# KiCad board prototype_01.kicad_pcb (continued)
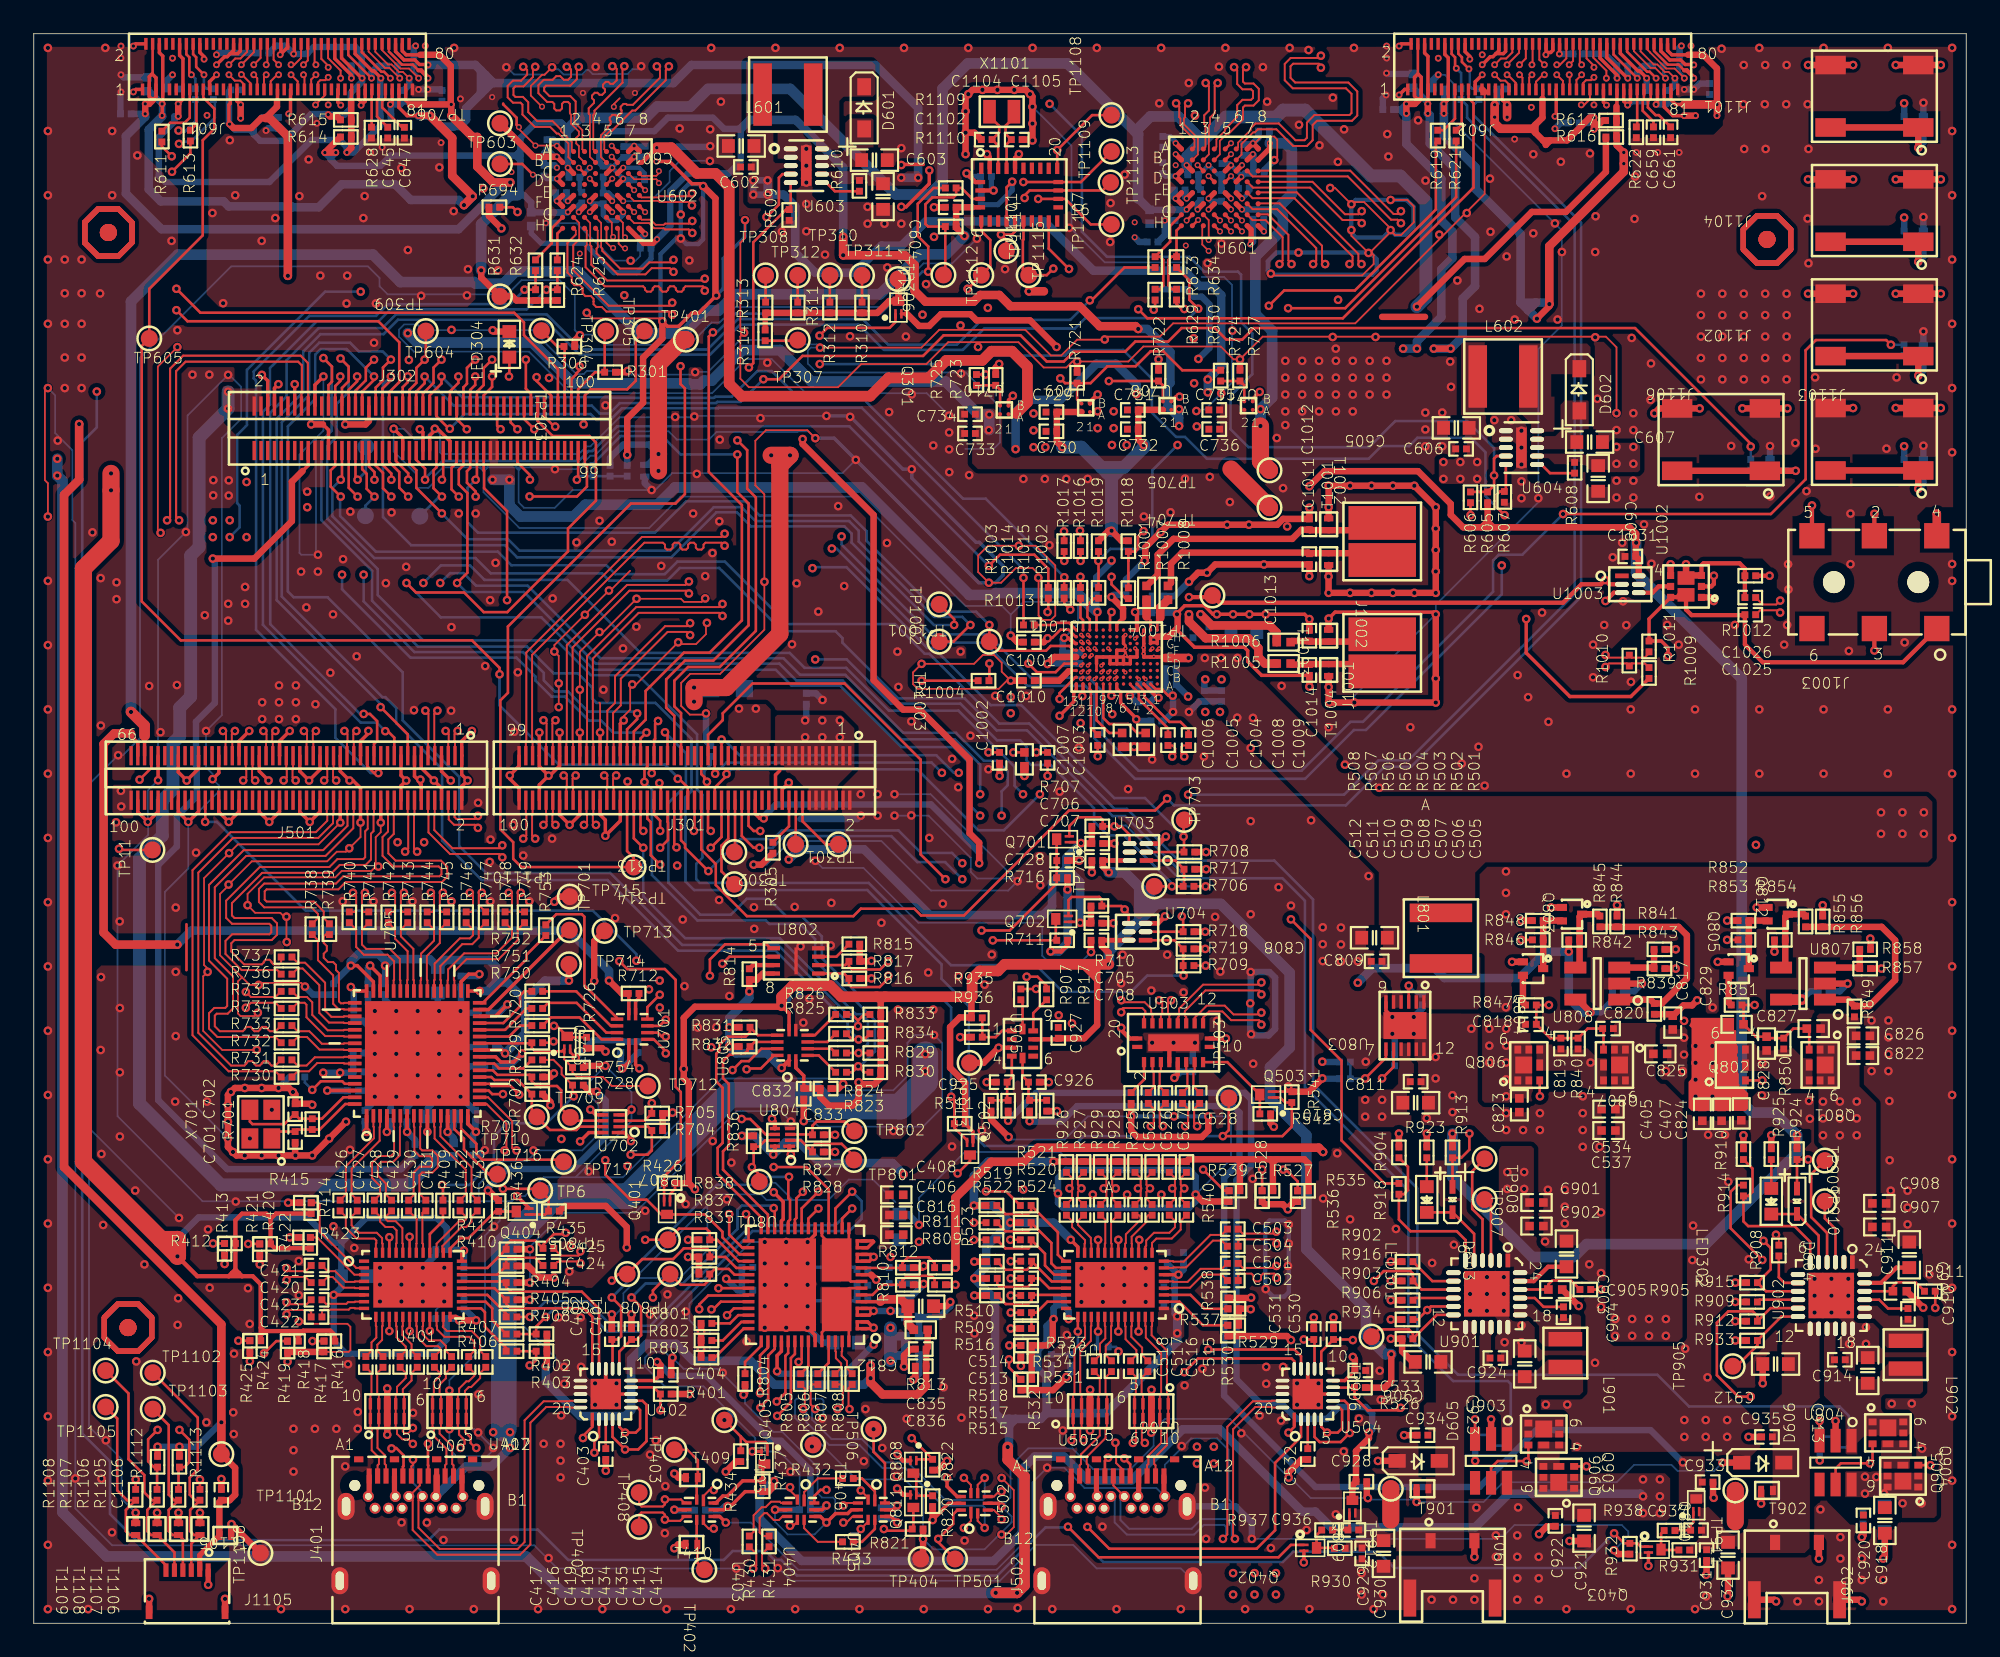
[diagram p0: board, top side]
## Routing (per net, layer and track width the routed paths; a pad name or vN(x,y) marks a point on that pad's centre or on a via; arc(x,y) is an arc through that point) (continued)
  TOP w0.254: 55.63,83.94 U1101.5 ; v1(56.51,87.1) 56.67,86.93 U1101.28
  TOP w0.381: v1(55.17,82.25) 54.68,82.74 R1110.2 C1102.1 55.62,83.95 55.63,83.94
  TOP w0.635: v1(5.77,54.03) 6.57,53.22 6.57,52.63
  ART06 w0.508: v1(56.51,87.1) 56.16,86.75 56.16,83.55 55.17,82.56 v1(55.17,82.25)
  BOTTOM w0.635: v1(5.77,54.03) 5.77,78.36 8.54,81.14 20.11,81.14 21.73,79.51 26.1,79.51 26.2,79.42 27.85,79.42 28.57,80.14 32.22,80.14 35.9,76.47 38.49,76.47 39.85,77.83 40.6,77.83 41.57,78.79 50.17,78.79 52.53,81.15 54.08,81.15 v1(55.17,82.25)
VREG_S4A_1P8: length 608.7
  TOP w0.152: Q401.1 37.72,25.45 38.01,25.75 R426.1 ; U1001.J10 63,59.9 v1(63.05,59.95)
  TOP w0.203: U1001.A3 66.49,54.99 66.55,54.99 v1(66.67,54.87) ; Q301.2 51.76,77.63 ; U701.2 35.68,33.11 v1(35.89,32.89) ; R511.1 55.67,29.15 Q502.1 ; U1001.J5 U1001.J4 ; U1001.G12 62.2,58.09 v2(62.09,58.2) ; 64.57,59.62 64.2,59.25 U1001.J7 ; C832.1 45.64,32.46 45.17,32.93 U805.2 ; v1(44.33,36.61) 44.77,36.17 U805.8 ; U1001.A7 64.2,55.41 64.43,55.18 64.43,54.57 65.35,53.64 v1(65.35,53.59) ; U1001.C9 63.4,56.48 v2(63.29,56.37)
  TOP w0.254: U1001.J4 65.4,59.84 v1(65.28,59.95) ; C927.1 60.67,34.62 U905.8 ; U804.5 43.93,29.73 v1(43.76,29.91) ; U804.1 44.78,27.88 v1(44.88,27.79)
  TOP w0.279: C708.1 63.32,40.5 U704.6 ; C707.1 63.37,45.22 U703.6
  TOP w0.305: v4(31.66,86.29) U602.C2 ; v4(31.66,83.66) U602.F2 ; v4(68.34,86.44) U601.C2 ; v4(68.34,83.81) U601.F2
  TOP w0.381: R827.2 v1(47.5,28.96) ; v1(60.1,56.87) 60.51,57.28 U1001.E13 ; C927.1 62.27,34.68 63.04,35.45 63.04,38.16 ; 62.53,39.07 63.04,38.56 ; 63.04,38.56 63.04,38.16 ; 63.04,38.56 63.04,39.07 ; v1(60.63,75.67) 59.05,77.24 55.89,77.24 55.52,77.61 53.78,77.61 53.08,76.91 52.48,76.91 51.76,77.63 ; R828.2 v1(47.5,27.94) ; v1(75.62,67.41) 76.51,68.3 82.06,68.3 84,66.36 84,65.71 84.73,64.97 85.83,64.97 ; v1(81.99,78.05) 84.82,80.88 86.01,80.88 88.8,83.67 90.82,83.67 93.19,86.05 R616.2 ; v1(60.98,69.72) 60.65,70.05 C730.1 C729.1 60.65,71.81 U709.A2 ; v1(63.72,44.52) 63.36,44.88 C707.1 ; 86.18,64.97 86.18,65.3 ; 86.18,64.97 85.83,64.97 ; 86.18,64.97 86.51,64.97 ; 86.18,65.3 86.51,64.97 ; 86.18,65.3 86.18,65.32 ; 50.21,36.88 50.21,36.9 49.96,37.14 ; 50.21,36.88 R833.2 R834.2 R829.2 R830.2 50.21,32.33 49.82,31.95 49.1,31.95 48.98,32.08 v1(48.89,32.08) 48.89,31.06 48.51,30.68 47.14,30.68 46.62,31.21 C833.1 45.66,31.7 C832.1 ; 50.21,36.88 50.47,37.14 ; R924.1 v1(104.52,28.93) ; 85.83,64.97 86.18,65.32 ; 86.18,65.32 R605.2 ; v1(80.47,15.95) 80.47,14.35 80.09,13.97 R526.1 ; R401.1 v1(38.86,13.59) ; v1(33.89,33.89) 33.69,34.1 R726.1 ; R913.1 v1(84.1,29.03) ; 63.04,38.16 62.13,39.07 ; v5(17.91,87.19) v5(17.26,87.19) R614.2 ; R625.2 R624.2 28.62,78.42 28.37,78.66 TP309.1 26.52,79.78 v1(26.52,80.21) ; U1003.6 95.14,63.07 C1031.1 94.96,64.03 v1(94.99,64.06) 94.99,64.59 94.61,64.97 86.51,64.97 ; R426.1 38.84,26.09 ; 38.84,26.09 v1(39.19,25.73) ; 38.84,26.09 38.83,26.09 38.83,32.01 38.53,32.31 v1(38.53,32.87) 38.53,35.89 39.19,36.55 44.27,36.55 v1(44.33,36.61) ; 64.57,59.62 64.57,60.16 v1(63.89,60.84) ; v1(65.8,69.85) 65.47,70.18 C732.1 C731.1 65.48,71.94 U708.A2 ; 55.63,37.14 55.59,37.1 R935.1 55.56,35.92 54.89,35.92 54.32,35.34 54.32,32.93 55.21,32.04 R511.1 ; v1(63.73,39.07) 63.73,39.73 63.31,40.15 C708.1 ; R1019.1 63.71,64.77 v1(63.89,64.77) 64.48,64.18 R1018.1
  TOP w0.635: v1(44.33,36.61) 44.33,37.14 45,37.81 47.2,37.81 47.87,37.14 55.63,37.14 55.63,38.22 56.08,38.67 57.16,38.67 57.55,39.07 v1(63.73,39.07)
  GND02 w0.127: v2(63.29,56.37) 63.29,56.38 63.57,56.66 63.57,56.88 64.08,57.39 v3(64.08,57.6)
  GND02 w0.254: 61.06,57.72 61.53,58.2 v2(62.09,58.2)
  GND02 w0.381: v1(60.1,56.87) 60.2,56.87 61.06,57.72
  ART03 w0.381: v1(38.86,13.59) 38.86,14.38 42.06,17.58 42.06,21.49 39.26,24.29 39.26,25.66 v1(39.19,25.73) ; v3(64.08,57.6) 64.08,58.69 63.05,59.72 v1(63.05,59.95) ; v1(63.89,60.84) 64.16,61.11 66.85,61.11 69.01,63.27 71.48,63.27 v1(75.62,67.41)
  ART03 w0.635: v1(35.89,32.89) 35.89,33.19 35.19,33.89 v1(33.89,33.89)
  ART05 w0.635: 64.47,51.24 65.71,50 65.71,46.5 v1(63.72,44.52) ; 64.47,51.24 63.42,50.2 62.37,50.2 59.7,52.87 59.7,55.56 ; 64.47,51.24 64.47,52.96 65.1,53.59 v1(65.35,53.59) 65.35,53.8 66.42,54.87 v1(66.67,54.87) ; v1(63.05,59.95) 61.9,61.1 59.75,61.1 58.89,60.24 58.89,58.26 58.17,57.54 58.17,56.65 58.85,55.97 59.27,55.97 ; 59.7,56.4 60.1,56.8 v1(60.1,56.87) ; 59.7,56.4 59.27,55.97 ; 59.7,56.4 59.7,55.56 ; 59.7,55.56 59.29,55.97 59.27,55.97 ; v1(65.8,69.85) 66.04,70.09 66.04,71.96 v1(69.04,74.96) 69.83,75.75 75.23,75.75 76.59,77.11 81.04,77.11 v1(81.99,78.05)
  ART05 w0.762: v1(65.28,59.95) 65.28,60.5 64.95,60.84 ; v1(63.89,64.77) 64.95,63.71 64.95,60.84 ; 64.95,60.84 v1(63.89,60.84) 63.56,60.84 63.05,60.33 v1(63.05,59.95)
  ART06 w0.381: v1(60.63,75.67) 61.19,75.67 64.59,79.07 64.59,83.43 64.97,83.81 v4(68.34,83.81) ; v1(38.53,32.87) 38.2,32.54 36.25,32.54 v1(35.89,32.89) ; v1(65.28,59.95) 64.78,59.95 64.08,59.25 v3(64.08,57.6) ; v1(44.88,27.79) 44.88,28.79 v1(43.76,29.91) ; v1(47.5,28.96) 47.5,29.36 48.89,30.76 v1(48.89,32.08)
  ART06 w0.635: v1(44.88,27.79) 47.35,27.79 v1(47.5,27.94) v1(47.5,28.96)
  BOTTOM w0.381: 28.85,86.71 28.56,86.99 28.56,87.01 ; 28.85,86.71 28.85,87.01 ; 28.85,86.71 28.85,84.83 28.68,84.66 29.06,84.66 29.49,84.23 R601.2 29.5,83.64 C609.1 31.64,83.64 v4(31.66,83.66) ; C610.1 68.4,86.38 v4(68.34,86.44) ; v1(60.1,56.87) 60.12,56.9 C1033.1 C1021.1 ; v1(65.35,53.59) 65.46,53.49 C1023.1 ; 28.56,87.01 28.85,87.01 ; 28.56,87.01 21.16,87.01 20.55,86.4 17.98,86.4 17.6,86.78 17.6,86.84 ; 28.56,87.01 28.56,87.02 28.85,87.3 ; 28.85,87.01 28.85,87.3 ; v1(63.89,60.84) 64.01,60.97 C1020.1 ; 28.85,87.3 28.85,88.05 29.77,88.98 31.27,88.98 31.66,88.58 v4(31.66,86.29) 31.72,86.23 C612.1 ; v1(63.05,59.95) 62.98,60.02 C1032.1 ; R626.2 R627.2 68.31,79.09 68.75,78.64 69.24,78.64 69.69,78.19 69.69,75.61 v1(69.04,74.96) ; C1024.1 66.3,59.92 C1018.1 66.24,59.95 v1(65.28,59.95) ; 17.6,86.84 v5(17.26,87.19) v5(17.91,87.19) 17.6,86.88 17.6,86.84 ; v1(44.33,36.61) 44.71,36.99 C831.1 ; R602.2 67.65,83.79 ; 67.65,83.79 C611.1 ; 67.65,83.79 68.32,83.79 v4(68.34,83.81) ; C1019.1 66.15,55.39 v1(66.67,54.87) 66.42,54.87 66.18,54.62 C1022.1
  BOTTOM w0.508: 65.46,84.48 R602.2
  BOTTOM w0.635: 66.02,42.14 66.02,43.16 ; 66.02,42.14 65.53,41.65 ; 66.02,42.14 66.53,42.65 ; 66.02,43.16 66.53,42.65 ; 66.02,43.16 65.53,43.64 ; 66.53,42.65 70.36,42.65 74.45,38.56 74.45,34.13 73.28,32.96 73.28,31.08 75.44,28.93 75.44,22.17 78.97,18.64 78.97,17.09 80.11,15.95 v1(80.47,15.95) ; 31.66,88.58 32.33,89.25 36.28,89.25 36.95,89.92 38.93,89.92 39.97,90.96 44.84,90.96 51.1,84.7 53.11,84.7 53.87,85.47 53.87,90.98 55.37,92.47 61.27,92.47 65.3,88.44 ; 65.3,88.44 65.46,88.29 65.46,84.48 ; 65.3,88.44 66.19,89.33 67.84,89.33 69.28,87.9 68.34,86.96 v4(68.34,86.44) ; 65.53,43.64 65.53,41.65 ; 65.53,43.64 64.66,44.52 v1(63.72,44.52) ; v1(26.52,80.21) 26.52,82.94 28.24,84.66 28.68,84.66 ; v1(27.2,67.79) v1(28.2,67.79) 28.2,66.26 28.85,65.61 32,65.61 32.7,66.31 36.98,66.31 38.01,67.34 49.09,67.34 55.46,60.96 56.92,60.96 57.03,61.07 61.85,61.07 62.33,60.59 62.33,60.58 62.59,60.32 62.68,60.32 62.98,60.02 ; 65.53,41.65 63.73,39.85 v1(63.73,39.07) ; v1(94.99,64.06) 94.99,62.26 101.24,56.01 101.24,30.9 101.86,30.28 103.17,30.28 v1(104.52,28.93) 104.52,27.89 99.11,22.48 92.05,22.48 91.29,21.72 88.82,21.72 84.1,26.44 v1(84.1,29.03)
  BOTTOM w0.762: 63.31,68.52 63.61,68.21 ; 63.31,68.52 62.1,69.72 v1(60.98,69.72) ; 63.31,68.52 64.47,68.52 ; 63.61,68.21 64.16,68.21 ; 63.61,68.21 63.89,67.94 ; 64.47,68.52 64.6,68.52 65.8,69.71 v1(65.8,69.85) ; 64.47,68.52 64.16,68.21 ; 64.16,68.21 63.89,67.94 ; v1(63.89,64.77) 63.89,67.94 ; v1(81.99,78.05) 82.52,78.59 82.52,84.28 81,85.8 79.26,85.8 75.36,89.71 74.06,89.71 73.64,89.29 70.67,89.29 69.28,87.9
VSYNC: length 7.3
  TOP w0.203: TP701.1 31.67,41.09 26.96,36.38 U705.31
WDOG_DISABLE: length 1.6
  TOP w0.152: R311.1 TP312.1
WM8998_GPIO5: length 43.2
  TOP w0.203: v2(62.71,57.39) 62.71,57.39 U1001.E11
  TOP w0.254: U1003.2 93.4,61.59 v1(93.14,61.85) 92.89,61.59 91.74,61.59 90.65,60.5 70.3,60.5 TP1004.1 69.77,60.83 v1(68.48,60.83) ; U1002.2 99.44,61.47 99.59,61.62 v1(99.59,62.1)
  GND02 w0.152: v3(62.86,57.01) 62.71,57.16 v2(62.71,57.39)
  ART03 w0.122: v3(62.86,57.01) 62.93,57.01 63.12,56.82 63.45,56.82 63.83,57.2 65.43,57.2 67.13,58.91 67.13,60.07 67.84,60.78 68.43,60.78 v1(68.48,60.83)
  ART03 w0.254: v1(99.59,62.1) 99.09,61.59 93.4,61.59 v1(93.14,61.85)
XTALI: length 5.8
  TOP w0.152: X701.1 14.52,29.15 C701.1 15.62,29.27 R701.1 16.95,29.27 18.46,30.78 U705.64
XTALO: length 7.8
  TOP w0.152: X701.3 12.81,29.74 12.96,29.59 14.86,29.59 15.43,30.16 C702.1 15.74,29.91 R701.2 17.08,29.91 18.36,31.18 U705.63
N449180: length 8.3
  TOP w0.152: J501.93 6.97,50.71 v1(6.27,50.01) ; v1(5.05,45.91) 5.12,45.85 TP11.1
  ART03 w0.122: v1(5.05,45.91) 6.27,47.13 v1(6.27,50.01)
N461675: length 3.6
  TOP w0.114: U501.9 66.29,22.38 66.29,22.39 66.29,22.55 66.55,22.81 67.46,22.81 67.99,23.34 67.99,23.85 C505.2
N461827: length 3.6
  TOP w0.114: U501.10 65.89,22.33 65.94,22.38 65.94,22.69 66.4,23.15 67.32,23.15 67.65,23.48 67.65,23.85 C506.2
N465991: length 2.4
  TOP w0.114: C509.2 63.86,23.79 63.86,22.53 63.89,22.5 U501.15
N465995: length 2.4
  TOP w0.114: U501.16 63.49,22.5 63.52,22.53 63.52,23.92 C510.2
N465999: length 2.7
  TOP w0.114: C511.2 61.89,23.85 61.89,23.62 62.66,22.85 62.66,22.53 62.69,22.5 U501.18
N466003: length 2.7
  TOP w0.114: U501.19 62.29,22.5 62.32,22.53 62.32,22.71 61.55,23.48 61.55,23.85 C512.2
N466007: length 2.9
  TOP w0.114: C507.2 66.07,24.19 65.96,24.08 65.96,23.79 65.08,22.92 65.08,22.51 65.09,22.5 U501.12
N466011: length 2.9
  TOP w0.114: C508.2 65.5,24.19 65.61,24.08 65.61,23.94 64.74,23.06 64.74,22.55 64.69,22.5 U501.13
N477533: length 4.6
  TOP w0.114: U501.7 67.53,21.07 67.56,21.09 68.31,21.09 69.9,22.68 70.43,22.68 C504.2
N477537: length 4.6
  TOP w0.114: U501.8 67.53,21.47 67.56,21.44 68.17,21.44 69.76,23.03 70.41,23.03 C503.2
N477541: length 4.2
  TOP w0.114: C502.2 70.41,20.67 69.31,20.67 68.54,19.89 67.56,19.89 67.53,19.87 U501.4
N477545: length 4.2
  TOP w0.114: C501.2 70.43,21.01 69.17,21.01 68.39,20.24 67.56,20.24 67.53,20.27 U501.5
N501104: length 6.9
  TOP w0.152: R519.1 57.6,24.26 58.93,24.26 59.12,24.45 R521.1 60.71,23.18 60.71,21.84 61.08,21.47 U501.21
N503640: length 6.5
  TOP w0.152: R522.1 57.6,23.24 58.93,23.24 59.12,23.43 R520.1 60.33,22.55 60.33,21.34 60.6,21.07 U501.22
N514349: length 3
  TOP w0.114: C515.1 65.7,15.9 65.7,16.34 65.06,16.98 65.06,17.6 65.09,17.63 U501.37
N514831: length 3
  TOP w0.114: C516.1 65.36,15.9 65.36,16.2 64.72,16.84 64.72,17.6 64.69,17.63 U501.36
N574039: length 2.9
  TOP w0.152: R305.1 44.77,47.25 J301.20
N574665:
  vias: v1(41.81,54.22) v1(42.81,54.22)
N574841: length 3.4
  TOP w0.152: v1(39.9,49.89) 39.75,50.04 39.75,50.16 39.57,50.34 J301.45
  BOTTOM w0.152: v1(39.9,49.89) 39.75,50.04 39.75,50.52 40.13,50.9 R304.2
N613918: length 3
  TOP w0.152: J602.73 95.85,90.39 95.68,90.22 95.68,89.87 96.14,89.41 96.33,89.41 C661.2
N614800: length 4.1
  TOP w0.102: v5(97.84,91.6) 97.27,92.17 96.77,92.17 95.82,93.12 95.82,93.13 95.65,93.3 J602.72
  BOTTOM w0.152: v5(97.84,91.6) 97.84,91.69 97.56,91.97 C660.2
N615585: length 2.5
  TOP w0.152: J602.71 95.45,90.37 95.38,90.3 95.38,89.66 96.01,89.03 C659.2
N616373: length 4
  TOP w0.102: v5(97.28,91.6) 96.91,91.97 96.68,91.97 96.24,92.41 96.03,92.41 95.25,93.19 J602.70
  BOTTOM w0.381: v5(97.28,91.6) 97.28,91.2 C658.2
N617736: length 2.2
  TOP w0.152: J602.69 95.05,88.76 R622.2
N619066: length 3.8
  TOP w0.102: v5(96.73,91.6) 96.12,92.21 95.84,92.21 94.85,93.2 J602.68
  BOTTOM w0.152: v5(96.73,91.6) 96.73,91.74 96.6,91.87 96.6,92.32 C657.2
N710068: length 3
  TOP w0.152: J601.73 20.85,90.41 20.65,90.22 20.65,89.87 21.83,88.69 C647.2
N710130: length 4.1
  TOP w0.102: v5(22.81,91.6) 22.24,92.17 21.74,92.17 20.65,93.26 J601.72
  BOTTOM w0.152: v5(22.81,91.6) 22.81,91.69 22.53,91.97 C646.2
N710232: length 2.5
  TOP w0.152: C645.2 20.35,89.33 20.35,90.3 20.45,90.4 J601.71
N710312: length 4
  TOP w0.102: J601.70 20.25,93.16 21,92.41 21.21,92.41 21.65,91.97 21.89,91.97 v5(22.26,91.6)
  BOTTOM w0.381: v5(22.26,91.6) 22.26,91.2 C644.2
N710404: length 2.3
  TOP w0.152: R628.2 20.03,88.7 20.03,90.92 J601.69
N710552: length 3.7
  TOP w0.102: v5(21.7,91.6) 21.09,92.21 20.82,92.21 19.85,93.18 J601.68
  BOTTOM w0.152: C643.2 21.56,91.88 21.7,91.74 v5(21.7,91.6)
N793506: length 3.4
  TOP w0.152: R750.2 28.83,35.43 28.18,34.78 U705.27
N794309: length 3.6
  TOP w0.152: R751.2 29.21,36.45 27.94,35.18 U705.28
N795118: length 4.2
  TOP w0.152: R752.2 29.08,37.46 28.83,37.21 28.83,36.58 27.84,35.58 U705.29
N797581: length 5.7
  TOP w0.152: R753.2 29.21,39.63 29.21,39.37 26.62,36.78 U705.32
N809060: length 5.9
  TOP w0.114: R739.1 17.3,40.83 17.19,40.71 17.19,40.34 17.37,40.15 17.37,39.88 17.19,39.69 17.19,39.45 17.44,39.2 17.75,39.2 17.92,39.03 17.92,38.72 18.09,38.55 18.09,36.87 18.21,36.75 18.37,36.75 18.4,36.78 U705.49
N809517: length 6
  TOP w0.114: R738.1 16.85,40.49 16.85,39.31 17.75,38.41 17.75,36.73 18.06,36.41 18.37,36.41 18.4,36.38 U705.50
N809979: length 6.2
  TOP w0.114: R737.1 15.64,39.16 16.08,39.16 17.27,37.97 17.27,36.32 17.64,35.95 18.37,35.95 18.4,35.98 U705.51
N810442: length 6.2
  TOP w0.114: R736.1 15.64,38.82 15.94,38.82 16.93,37.83 16.93,36.18 17.5,35.61 18.37,35.61 18.4,35.58 U705.52
N810906: length 5.1
  TOP w0.114: U705.53 18.4,35.18 18.37,35.15 17.42,35.15 16.51,36.07 16.51,36.81 16.2,37.13 15.64,37.13 R735.1
N811371: length 5.1
  TOP w0.114: U705.54 18.4,34.78 18.37,34.81 17.28,34.81 16.17,35.93 16.17,36.67 16.05,36.79 15.64,36.79 R734.1
N811837: length 4.2
  TOP w0.114: R733.1 15.64,35.1 16.34,35.1 17.08,34.35 18.37,34.35 18.4,34.38 U705.55
N812368: length 4.2
  TOP w0.114: U705.56 18.4,33.98 18.37,34.01 16.94,34.01 16.2,34.75 15.64,34.75 R732.1
N813322: length 4.1
  TOP w0.114: R731.1 15.64,33.06 16.17,33.06 16.66,33.55 18.37,33.55 18.4,33.58 U705.57
N813797: length 4.1
  TOP w0.114: U705.58 18.4,33.18 18.37,33.21 16.8,33.21 16.32,32.72 15.64,32.72 R730.1
N902993: length 2.9
  TOP w0.152: U901.8 82.91,20.28 R902.2
N903439: length 2.5
  TOP w0.152: U901.10 81.88,19.28 R903.2
N904911: length 15.3
  TOP w0.152: R906.1 82.04,18.01 v1(82.6,18.57) 82.82,18.78 U901.11 ; R905.1 v1(92.91,19.79)
  ART03 w0.122: v1(82.6,18.57) 82.6,18.78 84.88,21.06 91.64,21.06 v1(92.91,19.79)
N913930: length 2.8
  TOP w0.152: C904.1 89.49,18.76 88.97,19.28 U901.21
N1022925: length 8.6
  TOP w0.152: U903.5 86.39,9.22 86.78,9.62 88.47,9.62 v1(88.49,9.59) 88.6,9.69 Q903.3 ; Q906.3 v1(92.04,9.3)
  ART03 w0.122: v1(88.49,9.59) 91.75,9.59 v1(92.04,9.3)
N1064358: length 4.2
  TOP w0.152: U901.22 88.11,19.79 C905.2 89.79,20.09 90.02,20.32 91.12,20.32 R905.2
N1300992: length 5.1
  TOP w0.152: U501.24 60.34,20.27 C514.2 59.15,21.22 58.88,20.95 57.6,20.95 R510.2
N1482727: length 5.6
  TOP w0.152: C424.1 29.73,21.67 28.15,21.67 28,21.51 R410.1 27.48,20.67 U401.26
N1483436: length 4
  TOP w0.114: C426.1 18.5,24.11 18.5,23.45 19.14,22.81 20.19,22.81 20.31,22.69 20.31,22.53 20.28,22.5 U401.40
N1483440: length 4
  TOP w0.114: C427.1 18.84,24.11 18.84,23.59 19.28,23.15 20.34,23.15 20.65,22.84 20.65,22.53 20.68,22.5 U401.39
N1484153: length 3.3
  TOP w0.114: C428.1 20.53,24.11 20.53,23.81 20.84,23.5 21.3,23.5 21.51,23.29 21.51,22.53 21.48,22.5 U401.37
N1484157: length 3.3
  TOP w0.114: C429.1 20.87,24.11 20.87,23.95 20.99,23.84 21.45,23.84 21.85,23.43 21.85,22.53 21.88,22.5 U401.36
N1484922: length 2.7
  TOP w0.114: U401.34 22.68,22.5 22.69,22.52 22.69,23.98 C430.1
N1484926: length 2.6
  TOP w0.114: U401.33 23.08,22.48 23.04,22.52 23.04,24.33 23.15,24.44 C431.1
N1485655: length 3.5
  TOP w0.114: U401.31 23.88,22.5 25.2,23.83 25.5,23.83 25.61,23.94 25.61,24.11 C432.1
N1485659: length 3.5
  TOP w0.114: C433.1 25.95,24.11 25.95,23.8 25.64,23.48 25.35,23.48 24.22,22.36 24.22,22.02 U401.30
N1486396: length 2.9
  TOP w0.114: U401.5 19.04,19.87 19.01,19.89 18.36,19.89 17.72,20.53 17.42,20.53 C420.1
N1486400: length 2.9
  TOP w0.114: U401.4 19.04,20.27 19.01,20.24 18.5,20.24 17.86,20.87 17.42,20.87 C421.1
N1487145: length 2.9
  TOP w0.114: U401.8 19.04,18.67 19.01,18.69 18.77,18.69 18.67,18.59 17.2,18.59 17.08,18.48 C422.1
N1487149: length 2.6
  TOP w0.114: U401.7 19.04,19.07 19.01,19.04 18.63,19.04 18.53,18.94 17.33,18.94 C423.1
N1490856: length 4.3
  TOP w0.114: C414.2 26.46,16.15 26.46,16.82 25.96,17.32 24.49,17.32 24.25,17.56 24.25,17.6 24.28,17.63 U401.19
N1491525: length 4.3
  TOP w0.114: C415.2 26.12,16.15 26.12,16.68 25.82,16.98 24.34,16.98 23.91,17.42 23.91,17.6 23.88,17.63 U401.18
N1594937: length 13.1
  TOP w0.152: v1(59.44,51.63) C1003.1 ; v2(63.29,55.97) 63.29,55.97 U1001.B9
  GND02 w0.152: v1(59.44,51.63) 59.44,50.11 59.8,49.75 60.35,49.75 60.66,50.06 63.49,50.06 63.99,50.56 63.99,51.88 63.37,52.5 63.37,55.89 v2(63.29,55.97)
N1595683: length 10.2
  TOP w0.152: U1001.B10 63,56.08 v2(62.89,55.97) ; v1(60.1,50.24) C1003.2
  GND02 w0.152: v2(62.89,55.97) 62.89,55.68 63.02,55.55 63.02,52.37 63.68,51.71 63.68,50.77 63.32,50.41 60.27,50.41 v1(60.1,50.24)
N1597637: length 4
  TOP w0.152: C1005.1 63.75,52.78 63,53.54 U1001.A10
N1598389: length 4.9
  TOP w0.152: C1004.1 65.4,52.78 64.87,53.31 63.75,53.31 63.4,53.67 63.4,54.23 63.4,55.68 U1001.A9
N1601393: length 3.2
  TOP w0.152: U1001.A11 62.6,55.38 62.66,55.32 62.66,53.09 C1006.2
N1602917: length 5.7
  TOP w0.152: v1(63.07,51.4) C1006.1 ; U1001.B11 62.6,56.08 v2(62.49,55.97)
  GND02 w0.152: v1(63.07,51.4) 62.97,51.4 62.66,51.71 62.66,55.3 62.49,55.47 v2(62.49,55.97)
N1605053: length 9.1
  TOP w0.152: v1(58.06,51.63) C1007.1 ; U1001.C11 62.59,56.48 v2(62.49,56.37)
  GND02 w0.152: v3(62.86,56.51) 62.72,56.37 v2(62.49,56.37)
  ART06 w0.122: v1(58.06,51.63) 58.06,53.32 61.13,56.39 61.37,56.39 61.49,56.51 v3(62.86,56.51)
N1611847: length 10.5
  TOP w0.203: U1001.F2 66.31,57.79 v2(66.31,57.79)
  TOP w0.508: v1(68.48,59.82) 68.48,59.39 69.47,58.39 72.01,58.39 72.59,57.81 72.59,57.28 72.97,56.9 R1005.2
  GND02 w0.254: v1(68.48,59.82) 68.48,59.28 67.41,58.22 66.59,58.22 66.33,57.96 66.33,57.81 v2(66.31,57.79)
N1612628: length 9.3
  TOP w0.203: U1001.F1 66.71,57.79 v2(66.71,57.79)
  TOP w0.508: v1(69.16,59.82) 69.82,59.16 73.25,59.16 73.68,58.73 R1006.2
  GND02 w0.254: v1(69.16,59.82) 69.16,59.23 67.73,57.79 v2(66.71,57.79)
N1613411: length 1.9
  TOP w0.152: U1001.J2 66.2,59.46 65.96,59.69
  TOP w0.508: 65.96,59.69 R1007.2
N1614196: length 2.1
  TOP w0.152: U1001.J1 66.6,59.44 66.78,59.61
  TOP w0.508: 66.78,59.61 66.78,60.22 R1008.2
N1664769: length 13.8
  TOP w0.152: v1(63.89,59.95) 63.8,59.86 U1001.J8 ; U1001.D13 61.07,56.88 60.57,56.38 59.47,56.38 v1(58.96,56.9) ; 60.12,58.42 60.38,58.42 60.86,58.9 61.34,58.9 61.76,58.48 U1001.H13
  TOP w0.381: C1001.1 59.87,58.17 60.12,58.42 v1(60.1,58.39)
  ART06 w0.203: v1(63.89,59.95) 62.99,59.05 60.76,59.05 v1(60.1,58.39) 58.96,57.26 v1(58.96,56.9)
N1676321: length 9.7
  TOP w0.152: U1001.C12 62.19,56.48 v2(62.08,56.37) ; v1(56.59,51.63) C1002.1
  GND02 w0.127: v2(62.08,56.37) 61.24,55.53 61.24,53.16 60.73,52.65 57.62,52.65 v1(56.59,51.63)
N1725409: length 2.6
  TOP w0.114: C417.2 20.02,16.15 20.02,16.65 20.31,16.94 20.31,17.6 20.28,17.63 U401.9
N1726123: length 2.6
  TOP w0.114: C416.2 20.36,16.15 20.36,16.51 20.65,16.79 20.65,17.6 20.68,17.63 U401.10
N1828671: length 5.1
  TOP w0.152: R509.2 57.11,20.09 57.27,19.94 58.93,19.94 59.15,20.16 C513.2 59.61,20.45 60.19,19.87 U501.25
N1995411: length 5.4
  TOP w0.152: U801.6 49.72,19.47 50.32,20.07 R810.2 51.5,20.33 51.77,20.6 53.21,20.6 53.4,20.41 R809.2
N2002496: length 5.2
  TOP w0.152: R811.2 53.4,21.35 53.06,21.69 51.82,21.69 51.5,21.37 R812.2 51.48,21.07 U801.10
N3079043: length 2.7
  TOP w0.114: C418.2 22.4,16.15 22.4,16.55 21.85,17.09 21.85,17.6 21.88,17.63 U401.13
N3080031: length 2.7
  TOP w0.114: U401.12 21.48,17.63 21.51,17.6 21.51,16.95 22.05,16.4 22.05,16.15 C419.2
N3131959: length 1.7
  TOP w0.152: C403.1 33.91,12.09
N3190992: length 2
  TOP w0.127: U503.3 66.31,32.76 66.39,32.69 66.39,31.78 C525.2
N3192158: length 2
  TOP w0.127: C526.2 66.74,31.8 66.74,32.69 66.81,32.76 U503.4
N3193999: length 2
  TOP w0.127: U503.7 68.31,32.76 68.39,32.69 68.39,31.75 C527.2
N3195170: length 2
  TOP w0.127: C528.2 68.74,31.83 68.74,32.69 68.81,32.76 U503.8
N3228420: length 2.1
  TOP w0.152: U503.2 65.81,32.22 R525.2
N3289478: length 1.7
  TOP w0.152: C532.1 75.52,12.09
N3400514: length 3.5
  TOP w0.152: v1(61.89,17.3) U501.29
  BOTTOM w0.152: v1(61.89,17.3) 61.89,16.36 R513.1 R514.1
N3513315: length 1.9
  TOP w0.152: U1001.J12 62.2,59.47 62.05,59.62 R1015.1
N3674479: length 5.6
  TOP w0.381: R1005.1 74.56,56.84 C1014.1 75.65,56.87 T1004.2 79.5,56.87 J1001.1
N3674483: length 5.6
  TOP w0.381: R1006.1 74.56,58.23 C1013.1 75.65,58.2 T1003.2 79.5,58.2 J1001.2
N3685745: length 14.4
  TOP w0.381: J1002.2 79.53,63.44 T1001.2 75.65,63.44 C1011.1 75.55,63.47 68.07,63.47 67.41,62.81 67.41,61.67 R1008.1
N3686654: length 16.2
  TOP w0.381: J1002.1 79.5,64.8 T1002.2 75.65,64.8 C1012.1 75.14,64.83 74.6,64.29 67.56,64.29 66.62,63.35 66.62,62.16 R1007.1
N3956842: length 2.9
  TOP w0.114: U501.34 63.89,17.63 63.86,17.6 63.86,16.75 63.54,16.43 63.54,15.9 C517.1
N3956846: length 2.9
  TOP w0.114: C518.1 63.2,15.9 63.2,16.57 63.52,16.89 63.52,17.6 63.49,17.63 U501.33
N3960007: length 4.7
  TOP w0.152: R516.1 57.62,18.92 58.93,18.92 59.15,19.14 R518.1 59.18,19.47 U501.26
N3960011: length 3.3
  TOP w0.152: R515.1 R517.1 59.44,18.41 60.09,19.07 U501.27
N4063856: length 2
  TOP w0.254: U1002.5 96.32,61.47 95.94,61.09 U1003.4
N4320964: length 9.4
  TOP w0.381: R841.2 v1(97.33,39.95)
  ART06 w0.508: v1(92.28,33.24) 96.42,37.38 96.42,39.04 v1(97.33,39.95)
N4330009: length 14.2
  TOP w0.152: v1(89.28,31.24) 89.27,31.25 Q806.3 ; Q807.3 93.05,35.2 C820.2 92.11,35.26 R840.1 C819.2 89.89,34.69 C818.2 R847.2 v1(89.81,36.65)
  ART03 w0.122: v1(89.28,31.24) 89.28,36.12 v1(89.81,36.65)
N4379007: length 3.2
  TOP w0.381: R841.1 R843.2 95.99,38.87 U808.3
N4402137: length 12.6
  TOP w0.381: R845.2 R844.2 97.5,41.29 97.99,40.79 97.99,38.23 96.51,36.74 R839.1 95.83,36.97 U808.1
N4405681: length 4
  TOP w0.381: Q803.3 90.57,41.66 R848.2 R846.1 Q804.1
N4413317: length 4.4
  TOP w0.381: R845.1 92.73,42.04 Q803.1 91.63,41.88 R842.1 91.63,39.12 U808.4
N4419707: length 1.8
  TOP w0.381: Q804.3 88.27,36.81 R847.1
N4426529: length 13.6
  TOP w0.152: Q801.3 105.24,35.2 105.19,35.26 C827.2 104.3,35.26 R850.1 102.81,34.69 C828.2 102.08,34.78 C829.2 101.35,36.56 R851.2 v1(102.01,36.65) ; Q802.3 v1(102.46,32.18)
  ART03 w0.122: v1(102.01,36.65) 101.66,36.31 101.66,32.99 v1(102.46,32.18)
N4426571: length 12.9
  TOP w0.381: U807.1 107.54,36.97 R849.1 108.79,36.59 110.34,38.13 110.34,40.49 109.54,41.29 R856.2 R855.2
N4426701: length 3.2
  TOP w0.381: R858.1 R857.2 108.18,38.87 U807.3
N4426727: length 4
  TOP w0.381: Q812.3 102.76,41.66 R852.2 R853.1 Q805.1
N4426765: length 1.8
  TOP w0.381: Q805.3 100.47,36.81 R851.1
N4426875: length 11.1
  TOP w0.381: v1(108.86,40.59) 108.88,40.57 R858.2
  ART06 w0.381: v1(108.86,40.59) 106.2,37.93 106.2,36.15 103.3,33.24 v1(102.47,33.24)
N4427111: length 4.4
  TOP w0.381: R855.1 104.92,42.04 Q812.1 103.83,41.88 R854.1 103.83,39.12 U807.4
N4609948: length 4.5
  TOP w0.203: U801.5 50.19,19.07
  TOP w0.508: R813.2 51.82,17.75 C812.2 51.82,18.8 51.41,19.2 50.33,19.2 50.19,19.07
N4905545: length 2.2
  TOP w0.114: R808.2 48.2,15.11 48.2,15.54 47.89,15.86 47.89,16.1 47.92,16.13 U801.55
N4905795: length 2.2
  TOP w0.114: R807.2 47.53,14.8 47.86,15.13 47.86,15.4 47.55,15.72 47.55,16.1 47.52,16.13 U801.54
N4910945: length 2.1
  TOP w0.152: R805.2 45.92,15.25 U801.50
N4911197: length 2.2
  TOP w0.152: R806.2 47.12,15.44 U801.53
N5493847: length 2.4
  TOP w0.152: R610.1 47.49,84.9 46.97,85.41 U603.6
N5542719: length 2.4
  TOP w0.152: U604.6 89.37,68.7 89.88,68.18 R608.1
N6192870: length 13.2
  TOP w0.152: Q701.2 61.39,47.26 61.91,47.78 63.21,47.78 63.36,47.63 R707.2 v1(64.06,47.24) 64.47,47.24 64.96,46.75 U703.4 ; R706.1 v1(69.47,43.69)
  BOTTOM w0.122: v1(69.47,43.69) 68.35,43.69 64.74,47.29 64.11,47.29 v1(64.06,47.24)
N6558933: length 12.7
  TOP w0.152: U704.4 64.9,42.03 64.67,42.27 v1(64.67,42.32) 64.47,42.52 R710.2 63.31,42.91 63.16,43.06 61.53,43.06 61.33,42.87 Q702.2 ; R709.1 v1(69.47,38.99)
  ART03 w0.122: v1(69.47,38.99) 67.44,41.02 65.96,41.02 v1(64.67,42.32)
N8353086: length 3.9
  TOP w0.152: U1101.27 57.17,87.6 C1104.1 57.23,88.38 57.23,88.77 56.65,89.35 X1101.1
N8353178: length 9.5
  TOP w0.152: U1101.4 55.64,84.44 54.99,85.09 R1109.1 54.68,84.68 54.52,84.53 53.26,84.53 52.86,84.12 52.86,82.96 53.01,82.8 R1110.1 54.04,80.05 TP1111.1
N8353236: length 3.8
  TOP w0.152: X1101.2 58.1,89.27 57.61,88.77 57.61,88.3 C1105.1 57.67,87.68 U1101.26
N8353280: length 5.2
  TOP w0.152: U1101.9 57.67,85.13 v1(58,85.46)
  BOTTOM w0.305: C1103.1 57.14,84.1 58,84.95 v1(58,85.46)
N8518121: length 6
  TOP w0.152: R523.1 57.6,22.22 58.97,22.22 59.12,22.38 R524.1 59.94,21.91 59.94,21.21 60.49,20.67 U501.23
N8519947: length 1.8
  TOP w0.152: v1(63.09,17.3) U501.32
  BOTTOM w0.203: R512.1 63.05,17.26 v1(63.09,17.3)
